# KiCad board sr99-stm32-hotswap.kicad_pcb (continued)
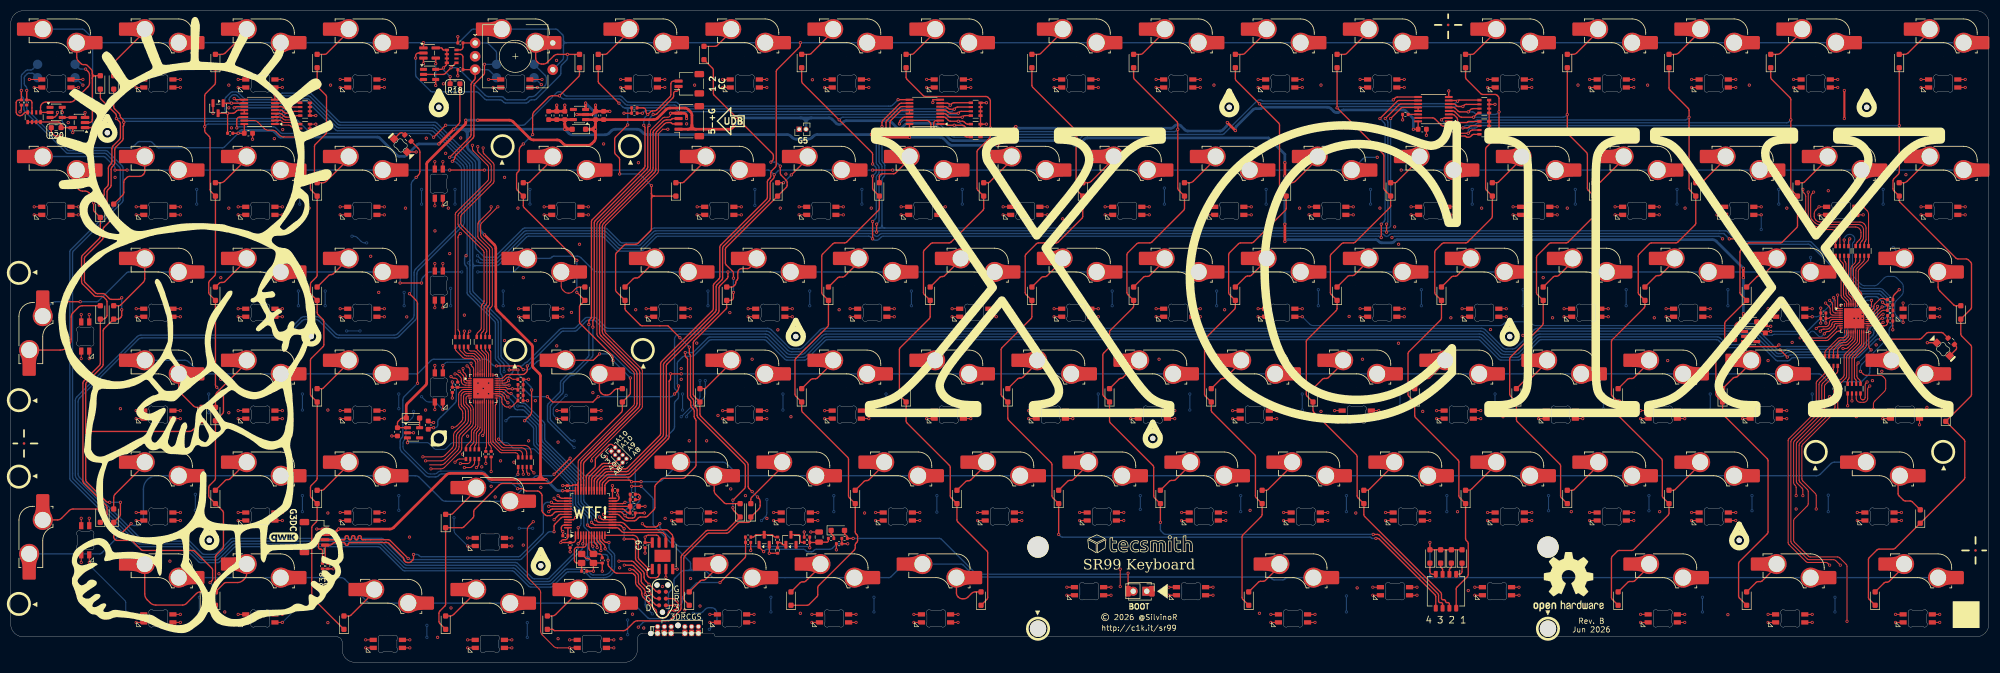
[diagram p0: board, top side]
## Routing (per net, layer and track width the routed paths; a pad name or vN(x,y) marks a point on that pad's centre or on a via; arc(x,y) is an arc through that point) (continued)
MISO: length 437.4
  Top w0.2: U9.24 348.54,63.71 arc(348.73,63.75) 348.9,63.86 349.28,64.24 arc(349.36,64.3) 349.46,64.32 v1(349.61,64.32) ; U10.24 91.65,50.61 arc(91.84,50.57) 92.01,50.46 v1(92.88,49.6)
  Top w0.254: U4.9 42.17,105.19 arc(41.98,105.23) 41.81,105.34 v1(41.74,105.41) ; v1(114.58,24.97) 114.03,25.51 arc(113.86,25.62) 113.67,25.66 U1.14 109.2,25.66 arc(109,25.7) 108.84,25.81 v1(108.49,26.16) ; U5.2 121.1,16.43 arc(121.06,16.23) 120.95,16.07 120.84,15.96 arc(120.68,15.85) 120.48,15.81 119.51,15.81 arc(119.32,15.85) 119.15,15.96 119.01,16.1 arc(118.9,16.26) 118.86,16.46 118.86,16.81 arc(118.82,17) 118.71,17.17 116.86,19.02 arc(116.75,19.19) 116.71,19.38 116.71,22.54 arc(116.56,22.9) 116.2,23.05 v1(114.58,23.05) ; v1(320.99,79.16) v1(322.99,79.16)
  In1.Cu w0.4: v1(92.15,54.34) 92.15,50.74 arc(92.23,50.35) 92.45,50.02 v1(92.88,49.6)
  In2.Cu w0.508: v1(87.16,75.04) 86.95,74.83 arc(86.79,74.72) 86.59,74.68 v1(85.47,74.68)
  Bottom w0.254: v1(108.49,26.16) 108.49,26.99 arc(108.45,27.19) 108.34,27.35 106.15,29.54 arc(106.04,29.7) 106,29.9 106,33.61 arc(105.97,33.81) 105.86,33.97 98.85,40.98 arc(98.74,41.14) 98.7,41.33 98.7,44.09 arc(98.67,44.28) 98.56,44.45 95.94,47.06 arc(95.78,47.17) 95.59,47.21 94.62,47.21 arc(94.43,47.25) 94.26,47.36 94.16,47.46 arc(94.05,47.63) 94.01,47.82 94.01,48.25 arc(93.97,48.45) 93.86,48.61 v1(92.88,49.6) ; v1(320.99,79.16) 319.99,80.16 257.95,80.16 arc(257.75,80.12) 257.59,80.01 257.35,79.77 arc(256.99,79.62) 256.63,79.77 256.39,80.01 arc(256.22,80.12) 256.03,80.16 162.7,80.16 arc(162.5,80.12) 162.34,80.01 162.1,79.77 arc(161.74,79.62) 161.38,79.77 161.14,80.01 arc(160.97,80.12) 160.78,80.16 120.67,80.16 arc(120.47,80.12) 120.31,80.01 117.83,77.53 arc(117.66,77.42) 117.47,77.38 113.77,77.38 arc(113.58,77.42) 113.42,77.53 110.93,80.01 arc(110.77,80.12) 110.57,80.16 96.47,80.16 arc(96.27,80.12) 96.11,80.01 90.92,74.83 arc(90.76,74.72) 90.56,74.68 87.73,74.68 arc(87.54,74.72) 87.37,74.83 v1(87.16,75.04) ; 85.76,75.18 85.76,92.93 arc(85.72,93.12) 85.61,93.29 79.14,99.76 arc(78.97,99.87) 78.78,99.91 61.26,99.91 arc(61.07,99.95) 60.9,100.06 55.72,105.24 arc(55.56,105.35) 55.36,105.39 51.16,105.39 arc(50.97,105.35) 50.8,105.24 49.89,104.33 arc(49.72,104.22) 49.53,104.18 43.18,104.18 arc(42.99,104.22) 42.82,104.33 v1(41.74,105.41) ; 85.76,75.18 85.76,74.18 ; 85.76,75.18 arc(85.72,74.98) 85.61,74.82 v1(85.47,74.68) 85.61,74.54 arc(85.72,74.37) 85.76,74.18 ; 85.76,74.18 85.76,69.31 arc(85.8,69.11) 85.91,68.95 90.91,63.95 arc(91.02,63.78) 91.06,63.59 91.06,57.07 arc(91.1,56.88) 91.21,56.71 92,55.92 arc(92.11,55.75) 92.15,55.56 v1(92.15,54.34) ; v1(349.61,64.32) 349.93,64.32 arc(350.12,64.35) 350.29,64.46 350.74,64.92 arc(350.85,65.08) 350.89,65.28 350.89,67.61 arc(350.85,67.8) 350.74,67.97 349.45,69.26 arc(349.29,69.37) 349.09,69.41 345.68,69.41 arc(345.48,69.45) 345.32,69.56 336.35,78.53 arc(336.19,78.64) 335.99,78.67 323.69,78.67 arc(323.49,78.71) 323.33,78.82 v1(322.99,79.16) ; 114.58,24.97 v1(114.58,23.05) ; v1(114.58,24.97) 114.57,24.97
MOSI: length 332.7
  Top w0.2: v1(92.99,52.66) 92.69,52.36 arc(92.52,52.25) 92.33,52.21 U10.28 ; v1(348.68,66.54) 348.68,66.46 arc(348.64,66.26) 348.53,66.1 347.9,65.46 arc(347.73,65.35) 347.54,65.31 U9.28
  Top w0.254: U5.5 123.64,23.55 arc(123.6,23.74) 123.49,23.91 122.76,24.64 arc(122.59,24.75) 122.4,24.79 115.94,24.79 arc(115.75,24.83) 115.58,24.94 114.66,25.86 arc(114.33,26.09) 113.94,26.16 U1.15 109.95,26.16 arc(109.75,26.2) 109.59,26.31 v1(109.24,26.66) ; v1(330.49,58.41) 331.82,57.08 v1(331.82,57.06)
  In2.Cu w0.508: v1(92.99,52.66) 93.53,52.66 arc(93.72,52.62) 93.89,52.51 94.57,51.83 arc(94.68,51.67) 94.72,51.47 v1(94.72,47.93)
  Bottom w0.254: v1(92.99,52.66) 92.99,53.01 arc(93.06,53.4) 93.29,53.73 93.68,54.12 arc(93.79,54.28) 93.83,54.48 93.83,54.65 arc(93.84,54.74) 93.9,54.82 94.29,55.21 arc(94.45,55.32) 94.65,55.36 95.26,55.36 arc(95.45,55.4) 95.62,55.51 96.12,56.01 arc(96.17,56.05) 96.23,56.06 96.32,56.06 arc(96.38,56.07) 96.43,56.1 102.46,62.14 arc(102.79,62.36) 103.18,62.43 105.17,62.43 arc(105.37,62.47) 105.53,62.58 107.27,64.32 arc(107.43,64.43) 107.63,64.47 109.1,64.47 arc(109.29,64.43) 109.46,64.32 111.19,62.58 arc(111.36,62.47) 111.55,62.43 141.37,62.43 arc(141.76,62.36) 142.09,62.14 145.34,58.88 arc(145.67,58.66) 146.06,58.59 147.2,58.59 arc(147.58,58.66) 147.91,58.88 151.17,62.14 arc(151.5,62.36) 151.89,62.44 274.73,62.44 arc(275.12,62.36) 275.44,62.14 278.7,58.88 arc(279.03,58.66) 279.42,58.59 280.53,58.59 arc(280.92,58.66) 281.25,58.88 284.5,62.14 arc(284.83,62.36) 285.22,62.43 323.69,62.43 arc(323.88,62.47) 324.05,62.58 324.08,62.62 arc(324.24,62.73) 324.44,62.76 325.46,62.76 arc(325.65,62.73) 325.82,62.62 329.87,58.56 arc(330.04,58.45) 330.23,58.41 v1(330.49,58.41) ; v1(109.24,26.66) 109.24,26.97 arc(109.2,27.16) 109.09,27.32 106.67,29.75 arc(106.56,29.91) 106.52,30.11 106.52,33.83 arc(106.48,34.02) 106.37,34.19 99.37,41.19 arc(99.26,41.35) 99.22,41.55 99.22,44.3 arc(99.18,44.5) 99.07,44.66 95.95,47.78 arc(95.79,47.89) 95.6,47.93 v1(94.72,47.93) ; v1(348.68,66.54) 348.68,61.49 arc(348.64,61.3) 348.53,61.13 345.04,57.64 arc(344.88,57.53) 344.68,57.49 332.46,57.49 arc(332.27,57.46) 332.1,57.35 v1(331.82,57.06)
OSC-IN: length 9.6
  Top w0.254: C19.2 Y1.1 105.8,18.56 arc(105.44,18.71) 105.29,19.07 105.29,21 arc(105.44,21.36) 105.8,21.51 106.98,21.51 arc(107.34,21.66) 107.49,22.02 U1.5
OSC-OUT: length 6
  Top w0.254: C20.2 110.49,19.75 arc(110.34,20.11) 109.98,20.26 Y1.3 108.14,20.96 arc(108.03,21.13) 107.99,21.32 U1.6
RED1: length 231.6
  Top w0.2: W8.1 v1(213.94,107.47) ; W3.1 314.05,107.47 ; v1(334.74,88.41) 334.74,88.26 arc(334.8,87.96) 334.96,87.72 335.05,87.63 arc(335.21,87.38) 335.27,87.09 335.27,83 arc(335.35,82.62) 335.57,82.29 336.64,81.22 arc(336.97,80.99) 337.36,80.92 340.04,80.92 arc(340.43,80.84) 340.76,80.62 340.9,80.49 arc(341.12,80.16) 341.19,79.77 341.19,79.14 arc(341.15,78.95) 341.04,78.78 341,78.74 arc(340.89,78.58) 340.86,78.38 R26.8 ; 334.41,107.47 v1(333,107.47) ; W9.1 194.74,107.47 ; W1.1 v1(356.81,107.47) ; W5.1 275.74,107.47 ; W4.1 v1(294.9,107.47) ; W6.1 v1(252.04,107.47)
  Top w0.254: v1(232.99,107.47) W7.1
  In1.Cu w0.4: 329.19,106.06 315.57,106.06 arc(315.38,106.1) 315.21,106.21 v1(313.95,107.47) 312.69,106.21 arc(312.52,106.1) 312.33,106.06 296.52,106.06 arc(296.33,106.1) 296.16,106.21 v1(294.9,107.47) 293.64,106.21 arc(293.47,106.1) 293.28,106.06 277.47,106.06 arc(277.28,106.1) 277.11,106.21 v1(275.85,107.47) 274.59,106.21 arc(274.42,106.1) 274.23,106.06 253.66,106.06 arc(253.46,106.1) 253.3,106.21 v1(252.04,107.47) 250.78,106.21 arc(250.61,106.1) 250.42,106.06 234.61,106.06 arc(234.41,106.1) 234.25,106.21 v1(232.99,107.47) 231.73,106.21 arc(231.56,106.1) 231.37,106.06 230.45,106.06 arc(230.25,106.1) 230.09,106.21 229.78,106.51 arc(229.62,106.62) 229.42,106.66 226.2,106.66 arc(226,106.62) 225.84,106.51 225.38,106.06 215.56,106.06 arc(215.36,106.1) 215.2,106.21 v1(213.94,107.47) 212.68,106.21 arc(212.51,106.1) 212.32,106.06 196.51,106.06 arc(196.31,106.1) 196.15,106.21 v1(194.89,107.47) ; 329.19,106.06 330.79,106.06 ; 329.19,106.06 arc(329.75,105.82) 329.99,105.26 ; 329.99,105.26 329.99,93.16 v1(334.74,88.41) ; 329.99,105.26 arc(330.22,105.82) 330.79,106.06 ; v1(356.81,107.47) 355.55,106.21 arc(355.39,106.1) 355.19,106.06 349.51,106.06 arc(349.12,106.14) 348.79,106.36 348.29,106.86 arc(347.96,107.09) 347.57,107.16 346.16,107.16 arc(345.77,107.09) 345.44,106.86 343.29,104.71 arc(342.96,104.49) 342.57,104.41 341.91,104.41 arc(341.52,104.49) 341.19,104.71 340.14,105.76 arc(339.81,105.98) 339.42,106.06 334.62,106.06 arc(334.43,106.1) 334.26,106.21 v1(333,107.47) 331.74,106.21 arc(331.57,106.1) 331.38,106.06 330.79,106.06 ; 232.42,106.9 arc(232.99,107.14) 233.55,106.9 ; 313.38,106.9 arc(313.95,107.14) 314.52,106.9 ; 251.47,106.9 arc(252.04,107.14) 252.6,106.9 ; 213.37,106.9 arc(213.94,107.14) 214.5,106.9 ; 275.28,106.9 arc(275.85,107.14) 276.42,106.9 ; 294.33,106.9 arc(294.9,107.14) 295.47,106.9 ; 332.43,106.9 arc(333,107.14) 333.57,106.9
RED2: length 188.2
  Top w0.2: W19.1 356.74,83.66 356.74,83.66 ; R26.7 341.66,80.66 v1(341.66,80.66) ; W24.1 v1(261.56,83.66) ; W23.1 v1(280.61,83.66) ; W27.1 v1(204.41,83.66) ; W26.1 v1(223.46,83.66) ; W21.1 v1(318.71,83.66) ; W20.1 v1(337.76,83.66) ; W25.1 v1(242.51,83.66) ; W22.1 v1(299.66,83.66)
  In1.Cu w0.4: v1(204.41,83.66) 205.67,82.4 arc(205.84,82.29) 206.03,82.25 221.84,82.25 arc(222.04,82.29) 222.2,82.4 v1(223.46,83.66) 224.72,82.4 arc(224.89,82.29) 225.08,82.25 236.76,82.25 arc(237.05,82.31) 237.3,82.47 237.45,82.62 arc(237.99,82.85) 238.53,82.62 238.68,82.47 arc(238.92,82.31) 239.22,82.25 240.89,82.25 arc(241.09,82.29) 241.25,82.4 v1(242.51,83.66) 243.77,82.4 arc(243.94,82.29) 244.13,82.25 253.78,82.25 arc(253.97,82.29) 254.14,82.4 255.25,83.51 arc(255.41,83.62) 255.61,83.66 v1(261.56,83.66) 262.82,82.4 arc(262.99,82.29) 263.18,82.25 278.99,82.25 arc(279.19,82.29) 279.35,82.4 v1(280.61,83.66) 281.87,82.4 arc(282.04,82.29) 282.23,82.25 298.04,82.25 arc(298.24,82.29) 298.4,82.4 v1(299.66,83.66) 300.92,82.4 arc(301.09,82.29) 301.28,82.25 317.09,82.25 arc(317.29,82.29) 317.45,82.4 v1(318.71,83.66) 319.97,82.4 arc(320.14,82.29) 320.33,82.25 336.14,82.25 arc(336.34,82.29) 336.5,82.4 v1(337.76,83.66) 339.02,82.4 arc(339.19,82.29) 339.38,82.25 340.86,82.25 ; v1(356.81,83.66) 355.55,82.4 arc(355.39,82.29) 355.19,82.25 342.46,82.25 ; 340.86,82.25 342.46,82.25 ; 340.86,82.25 arc(341.42,82.02) 341.66,81.45 ; v1(341.66,80.66) 341.66,81.45 ; 341.66,81.45 arc(341.89,82.02) 342.46,82.25 ; 280.05,83.09 arc(280.61,83.33) 281.18,83.09 ; 337.2,83.09 arc(337.76,83.33) 338.33,83.09 ; 299.1,83.09 arc(299.66,83.33) 300.23,83.09 ; 318.15,83.09 arc(318.71,83.33) 319.28,83.09 ; 222.9,83.09 arc(223.46,83.33) 224.03,83.09 ; 241.95,83.09 arc(242.51,83.33) 243.08,83.09
RED3: length 224.2
  Top w0.2: W44.1 v1(213.94,64.61) ; W40.1 v1(290.14,64.61) ; W43.1 v1(232.99,64.61) ; W37.1 v1(353.46,63.56) ; W41.1 v1(271.09,64.61) ; W42.1 v1(252.04,64.61) ; v1(342.45,78.96) R26.6 ; W38.1 v1(328.24,64.61) ; W39.1 v1(309.19,64.61) ; W45.1 v1(194.89,64.61)
  In1.Cu w0.4: v1(353.46,63.56) 353.46,63.23 arc(353.39,62.84) 353.16,62.51 352.25,61.59 arc(351.92,61.37) 351.53,61.29 v1(349.99,61.29) ; v1(194.89,64.61) 196.15,63.34 arc(196.32,63.23) 196.51,63.19 212.31,63.19 arc(212.51,63.23) 212.67,63.34 v1(213.94,64.61) 215.2,63.34 arc(215.37,63.23) 215.56,63.19 231.36,63.19 arc(231.56,63.23) 231.72,63.34 v1(232.99,64.61) 234.25,63.34 arc(234.42,63.23) 234.61,63.19 250.41,63.19 arc(250.61,63.23) 250.77,63.34 v1(252.04,64.61) 253.3,63.34 arc(253.47,63.23) 253.66,63.19 269.46,63.19 arc(269.66,63.23) 269.82,63.34 v1(271.09,64.61) 272.35,63.34 arc(272.52,63.23) 272.71,63.19 278.06,63.19 arc(278.25,63.23) 278.42,63.34 278.59,63.51 arc(278.75,63.62) 278.95,63.66 281.06,63.66 arc(281.25,63.62) 281.42,63.51 281.59,63.34 arc(281.75,63.23) 281.95,63.19 288.51,63.19 arc(288.71,63.23) 288.87,63.34 v1(290.14,64.61) 291.4,63.34 arc(291.57,63.23) 291.76,63.19 307.56,63.19 arc(307.76,63.23) 307.92,63.34 v1(309.19,64.61) 310.45,63.34 arc(310.62,63.23) 310.81,63.19 326.61,63.19 arc(326.81,63.23) 326.97,63.34 v1(328.24,64.61) 329.5,63.34 arc(329.67,63.23) 329.86,63.19 335.85,63.19 arc(336.23,63.27) 336.56,63.49 337.41,64.33 arc(337.74,64.55) 338.13,64.63 340.45,64.63 arc(340.84,64.55) 341.17,64.33 341.44,64.06 arc(341.66,63.73) 341.74,63.34 v1(341.74,61.29) ; 232.42,64.04 arc(232.99,64.28) 233.55,64.04 ; 327.67,64.04 arc(328.24,64.28) 328.8,64.04 ; 213.37,64.04 arc(213.94,64.28) 214.5,64.04 ; 251.47,64.04 arc(252.04,64.28) 252.6,64.04 ; 289.57,64.04 arc(290.14,64.28) 290.7,64.04 ; 308.62,64.04 arc(309.19,64.28) 309.75,64.04 ; 270.52,64.04 arc(271.09,64.28) 271.65,64.04
  In2.Cu w0.4: v1(349.99,61.29) 348.51,61.29 arc(348.31,61.26) 348.15,61.15 347.97,60.97 arc(347.81,60.86) 347.61,60.82 347.04,60.82 arc(346.84,60.86) 346.68,60.97 346.5,61.15 arc(346.34,61.26) 346.15,61.29 v1(341.74,61.29)
  Bottom w0.2: v1(342.45,78.96) 342.45,79.06 arc(342.51,79.36) 342.68,79.6 342.85,79.78 arc(343.1,79.94) 343.39,80 343.55,80 arc(343.85,79.94) 344.09,79.78 344.21,79.66 arc(344.37,79.42) 344.43,79.12 344.43,79 arc(344.39,78.81) 344.28,78.64 344.14,78.5 arc(344.03,78.34) 343.99,78.14 343.99,72.72 arc(344.07,72.33) 344.29,72 345.59,70.7 arc(345.92,70.48) 346.31,70.4 348.05,70.4 arc(348.44,70.48) 348.77,70.7 349.93,71.85 arc(350.26,72.08) 350.65,72.15 351.58,72.15 arc(351.97,72.08) 352.3,71.85 353.19,70.96 arc(353.41,70.63) 353.49,70.24 353.49,69.33 arc(353.41,68.94) 353.19,68.61 352.19,67.61 arc(351.97,67.28) 351.89,66.9 351.89,65.56 arc(351.97,65.17) 352.19,64.84 v1(353.46,63.56)
RED4: length 245.3
  Top w0.2: W54.1 v1(349.67,45.56) ; W62.1 v1(190.12,45.56) ; v1(343.49,79.16) 343.4,79.08 arc(343.29,78.91) 343.25,78.72 R26.5 ; W57.1 v1(285.38,45.56) ; W59.1 v1(247.28,45.56) ; W55.1 v1(323.48,45.56) ; v1(345.49,54.41) 346.01,53.89 arc(346.26,53.72) 346.55,53.66 349.17,53.66 arc(349.46,53.6) 349.71,53.44 349.98,53.17 arc(350.15,52.92) 350.21,52.63 350.21,51.19 arc(350.15,50.9) 349.98,50.65 348.14,48.81 arc(347.98,48.56) 347.92,48.27 v1(347.92,47.3) 347.92,47.31 ; W61.1 v1(209.18,45.56) ; W60.1 v1(228.23,45.56) ; W56.1 v1(304.43,45.56) ; W58.1 v1(266.32,45.56)
  In1.Cu w0.4: v1(190.12,45.56) 191.37,44.31 arc(191.54,44.2) 191.73,44.16 207.57,44.16 arc(207.76,44.2) 207.93,44.31 v1(209.18,45.56) 209.94,44.79 arc(210.16,44.46) 210.24,44.07 210.24,41.33 arc(210.31,40.94) 210.54,40.61 211.69,39.46 arc(212.02,39.24) 212.41,39.16 214.32,39.16 arc(214.71,39.24) 215.04,39.46 219.44,43.86 arc(219.77,44.08) 220.15,44.16 226.62,44.16 arc(226.81,44.2) 226.98,44.31 v1(228.23,45.56) 229.62,44.16 245.67,44.16 arc(245.86,44.2) 246.03,44.31 v1(247.28,45.56) 248.52,44.31 arc(248.69,44.2) 248.88,44.16 264.72,44.16 arc(264.91,44.2) 265.08,44.31 v1(266.32,45.56) 267.57,44.31 arc(267.74,44.2) 267.93,44.16 283.77,44.16 arc(283.96,44.2) 284.13,44.31 v1(285.38,45.56) 286.62,44.31 arc(286.79,44.2) 286.98,44.16 302.82,44.16 arc(303.01,44.2) 303.18,44.31 v1(304.43,45.56) 305.67,44.31 arc(305.84,44.2) 306.03,44.16 321.87,44.16 arc(322.06,44.2) 322.23,44.31 v1(323.48,45.56) 324.72,44.31 arc(324.89,44.2) 325.08,44.16 348.06,44.16 arc(348.25,44.2) 348.42,44.31 v1(349.67,45.56) 349.67,45.56 v1(347.92,47.3) ; 303.86,44.99 arc(304.43,45.23) 304.99,44.99 ; 246.71,44.99 arc(247.28,45.23) 247.84,44.99 ; 322.91,44.99 arc(323.48,45.23) 324.04,44.99 ; 208.61,44.99 arc(209.18,45.23) 209.74,44.99 ; 284.81,44.99 arc(285.38,45.23) 285.94,44.99 ; 349.1,46.12 arc(349.34,45.56) 349.1,44.99 ; 227.66,44.99 arc(228.23,45.23) 228.79,44.99 ; 265.76,44.99 arc(266.32,45.23) 266.89,44.99
  Bottom w0.2: v1(345.49,54.41) 345.49,55.04 arc(345.56,55.43) 345.79,55.76 350.55,60.53 arc(350.77,60.86) 350.85,61.24 350.85,62.15 arc(350.91,62.45) 351.07,62.69 351.17,62.79 arc(351.33,63.04) 351.39,63.33 351.39,67.59 arc(351.31,67.98) 351.09,68.31 349.8,69.61 arc(349.47,69.83) 349.08,69.9 346.1,69.9 arc(345.71,69.98) 345.38,70.2 343.79,71.8 arc(343.56,72.13) 343.49,72.52 v1(343.49,79.16)
RED5: length 203.2
  Top w0.2: 201.06,26.51 v1(199.65,26.51) ; W71.1 v1(344.91,26.51) ; W74.1 v1(275.85,26.51) ; v1(337.24,28.66) 337.24,31.18 arc(337.2,31.37) 337.09,31.53 334.7,33.92 arc(334.59,34.09) 334.55,34.28 334.55,40.4 arc(334.59,40.6) 334.7,40.76 340.32,46.38 340.34,46.38 341.11,47.15 arc(341.22,47.32) 341.26,47.51 341.26,49.18 arc(341.3,49.37) 341.41,49.54 341.59,49.72 arc(341.7,49.89) 341.74,50.08 R23.2 ; 258.21,26.51 v1(256.8,26.51) ; W72.1 v1(313.95,26.51) ; W77.1 v1(218.7,26.51) ; W73.1 v1(294.9,26.51) ; W76.1 v1(237.75,26.51)
  In1.Cu w0.4: v1(199.65,26.51) 200.92,25.24 arc(201.09,25.13) 201.28,25.09 217.07,25.09 arc(217.26,25.13) 217.43,25.24 v1(218.7,26.51) 219.97,25.24 arc(220.14,25.13) 220.33,25.09 236.12,25.09 arc(236.31,25.13) 236.48,25.24 v1(237.75,26.51) 239.17,25.09 255.17,25.09 arc(255.36,25.13) 255.53,25.24 v1(256.8,26.51) 258.07,25.24 arc(258.24,25.13) 258.43,25.09 274.22,25.09 arc(274.41,25.13) 274.58,25.24 v1(275.85,26.51) 277.12,25.24 arc(277.29,25.13) 277.48,25.09 293.27,25.09 arc(293.46,25.13) 293.63,25.24 v1(294.9,26.51) 296.17,25.24 arc(296.34,25.13) 296.53,25.09 312.32,25.09 arc(312.51,25.13) 312.68,25.24 v1(313.95,26.51) 315.22,25.24 arc(315.39,25.13) 315.58,25.09 320.92,25.09 arc(321.12,25.13) 321.28,25.24 321.55,25.5 arc(321.71,25.61) 321.9,25.65 323.8,25.65 arc(323.99,25.61) 324.16,25.5 324.42,25.24 arc(324.59,25.13) 324.78,25.09 333.73,25.09 arc(333.92,25.13) 334.09,25.24 335.73,26.88 arc(335.9,26.99) 336.09,27.03 336.44,27.03 ; v1(337.24,28.66) 337.24,27.83 ; 337.24,27.83 arc(337.47,27.26) 338.04,27.03 338.31,27.03 arc(338.51,26.99) 338.67,26.88 340.32,25.24 arc(340.48,25.13) 340.68,25.09 343.28,25.09 arc(343.47,25.13) 343.63,25.24 v1(344.91,26.51) ; 337.24,27.83 arc(337,27.26) 336.44,27.03 ; 336.44,27.03 337.99,27.03 337.99,27.03 ; 313.38,25.94 arc(313.95,26.18) 314.52,25.94 ; 237.18,25.94 arc(237.75,26.18) 238.32,25.94 ; 275.28,25.94 arc(275.85,26.18) 276.42,25.94 ; 218.13,25.94 arc(218.7,26.18) 219.27,25.94 ; 294.33,25.94 arc(294.9,26.18) 295.47,25.94 ; 256.23,25.94 arc(256.8,26.18) 257.37,25.94
RED6: length 240.8
  Top w0.2: W91.1 v1(254.42,12.54) ; W92.1 v1(235.37,7.46) ; W90.1 v1(273.47,12.54) ; W88.1 328.28,7.46 ; W89.1 v1(304.43,7.46) ; v1(342.99,7.66) 342.99,17.95 arc(342.95,18.15) 342.84,18.31 341.6,19.55 arc(341.44,19.66) 341.24,19.7 336.13,19.7 arc(335.94,19.74) 335.78,19.85 333.16,22.46 arc(333.05,22.62) 333.01,22.82 333.01,26.48 arc(333.05,26.67) 333.16,26.84 335.59,29.26 arc(335.7,29.43) 335.74,29.62 335.74,31.93 arc(335.7,32.12) 335.59,32.29 334.18,33.7 arc(334.07,33.86) 334.03,34.05 334.03,40.61 arc(334.07,40.8) 334.18,40.97 340.59,47.37 arc(340.7,47.54) 340.74,47.73 R22.2 ; W87.1 v1(352.05,7.46)
  Top w0.254: W94.1 v1(197.27,12.54) ; W93.1 v1(216.32,12.54)
  In1.Cu w0.4: 343.74,6.06 343.74,6.06 342.19,6.06 ; v1(197.27,12.54) 198.53,11.27 arc(198.7,11.16) 198.89,11.13 214.7,11.13 arc(214.89,11.16) 215.06,11.27 v1(216.32,12.54) 217.58,11.27 arc(217.75,11.16) 217.94,11.13 223.35,11.13 arc(223.74,11.05) 224.07,10.83 226.98,7.92 arc(227.31,7.7) 227.7,7.62 235,7.62 arc(235.19,7.58) 235.36,7.47 v1(235.37,7.46) 236.62,6.21 arc(236.78,6.1) 236.98,6.06 247.73,6.06 arc(247.92,6.1) 248.09,6.21 v1(254.42,12.54) 255.67,11.28 arc(255.84,11.17) 256.03,11.13 271.85,11.13 arc(272.05,11.17) 272.21,11.28 v1(273.47,12.54) 274.72,11.28 arc(274.89,11.17) 275.08,11.13 283.37,11.13 arc(283.56,11.09) 283.73,10.98 284.93,9.78 arc(285.1,9.67) 285.29,9.63 302.04,9.63 arc(302.24,9.59) 302.4,9.48 v1(304.43,7.46) 305.67,6.21 arc(305.84,6.1) 306.03,6.06 326.63,6.06 arc(326.82,6.1) 326.99,6.21 v1(328.24,7.46) 329.49,6.21 arc(329.65,6.1) 329.85,6.06 342.19,6.06 ; 342.19,6.06 arc(342.75,6.29) 342.99,6.86 ; v1(342.99,7.66) 342.99,6.86 ; 342.99,6.86 arc(343.22,6.29) 343.79,6.06 350.44,6.06 arc(350.64,6.1) 350.8,6.21 v1(352.05,7.46) ; 327.67,6.89 arc(328.24,7.13) 328.8,6.89 ; 253.85,11.97 arc(254.42,12.21) 254.98,11.97 ; 215.75,11.97 arc(216.32,12.21) 216.88,11.97 ; 272.9,11.97 arc(273.47,12.21) 274.03,11.97
RED7: length 249.7
  Top w0.2: W10.1 v1(171.08,107.47) ; W17.1 v1(23.44,107.47) ; R32.8 83.04,83.75 arc(83.08,83.95) 83.19,84.11 89.09,90.01 arc(89.2,90.18) 89.24,90.37 89.24,92.56 arc(89.2,92.75) 89.09,92.92 86.39,95.62 arc(86.28,95.79) 86.24,95.98 v1(86.24,96.66) ; W18.1 v1(4.39,107.47) ; W13.1 v1(113.92,107.47) ; W16.1 v1(42.49,107.47) ; W12.1 v1(132.98,107.47) ; W15.1 v1(61.54,107.47) ; W11.1 v1(152.03,107.47) ; W14.1 v1(90.11,107.47)
  In1.Cu w0.4: v1(4.39,107.47) 5.65,106.21 arc(5.81,106.1) 6.01,106.06 21.82,106.06 arc(22.01,106.1) 22.18,106.21 v1(23.44,107.47) 24.7,106.21 arc(24.86,106.1) 25.06,106.06 40.87,106.06 arc(41.06,106.1) 41.23,106.21 v1(42.49,107.47) 43.75,106.21 arc(43.91,106.1) 44.11,106.06 47.75,106.06 arc(47.95,106.02) 48.11,105.91 48.76,105.26 arc(48.92,105.15) 49.12,105.11 49.59,105.11 arc(49.78,105.15) 49.95,105.26 50.59,105.91 arc(50.76,106.02) 50.95,106.06 59.92,106.06 arc(60.11,106.1) 60.28,106.21 v1(61.54,107.47) 62.8,106.21 arc(62.96,106.1) 63.16,106.06 77.42,106.06 arc(77.62,106.1) 77.78,106.21 78.34,106.76 arc(78.5,106.87) 78.7,106.91 81.28,106.91 arc(81.47,106.87) 81.64,106.76 82.19,106.21 arc(82.36,106.1) 82.55,106.06 85.44,106.06 ; 85.44,106.06 87.04,106.06 ; 85.44,106.06 arc(86,105.82) 86.24,105.26 ; 87.04,106.06 88.49,106.06 arc(88.69,106.1) 88.85,106.21 v1(90.11,107.47) 91.37,106.21 arc(91.54,106.1) 91.73,106.06 101.23,106.06 arc(101.42,106.1) 101.58,106.21 101.97,106.59 arc(102.13,106.7) 102.33,106.74 102.71,106.74 arc(102.9,106.7) 103.06,106.59 103.45,106.21 arc(103.61,106.1) 103.81,106.06 112.3,106.06 arc(112.5,106.1) 112.66,106.21 v1(113.92,107.47) 115.19,106.21 arc(115.35,106.1) 115.55,106.06 131.35,106.06 arc(131.55,106.1) 131.71,106.21 v1(132.98,107.47) 134.24,106.21 arc(134.4,106.1) 134.6,106.06 150.4,106.06 arc(150.6,106.1) 150.76,106.21 v1(152.03,107.47) 153.29,106.21 arc(153.45,106.1) 153.65,106.06 169.45,106.06 arc(169.65,106.1) 169.81,106.21 v1(171.08,107.47) ; 87.04,106.06 arc(86.47,105.82) 86.24,105.26 ; v1(86.24,96.66) 86.24,105.26 ; 151.46,106.9 arc(152.03,107.14) 152.59,106.9 ; 60.97,106.9 arc(61.54,107.14) 62.1,106.9 ; 41.92,106.9 arc(42.49,107.14) 43.05,106.9 ; 132.41,106.9 arc(132.98,107.14) 133.54,106.9 ; 89.55,106.9 arc(90.11,107.14) 90.68,106.9 ; 22.87,106.9 arc(23.44,107.14) 24,106.9 ; 113.36,106.9 arc(113.92,107.14) 114.49,106.9
RED8: length 243.5
  Top w0.2: W30.1 v1(147.26,83.66) ; W35.1 v1(23.44,83.66) ; R32.7 83.84,61.71 arc(83.82,61.8) 83.76,61.89 83.63,62.02 arc(83.57,62.11) 83.55,62.2 83.55,79.52 arc(83.59,79.71) 83.7,79.88 v1(83.99,80.16) ; W34.1 v1(42.49,83.66) ; W36.1 v1(4.39,83.66) ; W28.1 v1(185.36,83.66) ; W29.1 167.72,83.66 166.49,83.66 ; W104.1 v1(80.71,85.35) ; W33.1 v1(61.54,83.66) ; W31.1 v1(128.21,83.66) ; W32.1 v1(99.64,83.66)
  In1.Cu w0.4: 84.79,82.25 88.47,82.25 arc(88.67,82.29) 88.83,82.4 90.28,83.85 arc(90.45,83.96) 90.64,84 93.12,84 arc(93.32,83.96) 93.48,83.85 94.93,82.4 arc(95.1,82.29) 95.29,82.25 98.02,82.25 arc(98.21,82.29) 98.38,82.4 v1(99.64,83.66) 100.9,82.4 arc(101.06,82.29) 101.26,82.25 107.86,82.25 arc(108.06,82.29) 108.22,82.4 108.69,82.86 arc(108.91,83.19) 108.99,83.58 v1(108.99,84.91) ; 84.79,82.25 83.19,82.25 ; 84.79,82.25 arc(84.22,82.02) 83.99,81.45 ; 83.19,82.25 81.22,82.25 ; 83.19,82.25 arc(83.75,82.02) 83.99,81.45 ; 81.22,82.25 80.2,82.25 ; 81.22,82.25 arc(80.86,82.4) 80.71,82.76 ; v1(4.39,83.66) 5.65,82.4 arc(5.81,82.29) 6.01,82.25 21.82,82.25 arc(22.01,82.29) 22.18,82.4 v1(23.44,83.66) 24.7,82.4 arc(24.86,82.29) 25.06,82.25 40.87,82.25 arc(41.06,82.29) 41.23,82.4 v1(42.49,83.66) 43.75,82.4 arc(43.91,82.29) 44.11,82.25 59.92,82.25 arc(60.11,82.29) 60.28,82.4 v1(61.54,83.66) 62.8,82.4 arc(62.96,82.29) 63.16,82.25 80.2,82.25 ; v1(83.99,80.16) 83.99,81.45 ; v1(185.36,83.66) 184.1,82.4 arc(183.94,82.29) 183.74,82.25 167.93,82.25 arc(167.74,82.29) 167.57,82.4 v1(166.31,83.66) 166.31,83.66 161.2,83.66 arc(161,83.62) 160.84,83.51 159.72,82.4 arc(159.56,82.29) 159.36,82.25 148.88,82.25 arc(148.69,82.29) 148.52,82.4 v1(147.26,83.66) 146,82.4 arc(145.84,82.29) 145.64,82.25 129.83,82.25 arc(129.64,82.29) 129.47,82.4 v1(128.21,83.66) 126.95,82.4 arc(126.79,82.29) 126.59,82.25 118.86,82.25 arc(118.67,82.29) 118.5,82.4 v1(115.99,84.91) ; 80.2,82.25 arc(80.56,82.4) 80.71,82.76 ; v1(80.71,85.35) 80.71,82.76 ; 41.92,83.09 arc(42.49,83.33) 43.05,83.09 ; 22.87,83.09 arc(23.44,83.33) 24,83.09 ; 127.65,83.09 arc(128.21,83.33) 128.78,83.09 ; 60.97,83.09 arc(61.54,83.33) 62.1,83.09 ; 146.7,83.09 arc(147.26,83.33) 147.83,83.09 ; 99.07,83.09 arc(99.64,83.33) 100.2,83.09
  In2.Cu w0.4: v1(108.99,84.91) v1(115.99,84.91)
RED9: length 186.7
  Top w0.2: W50.1 v1(94.88,64.61) ; R32.6 84.64,61.27 arc(84.65,61.31) 84.67,61.34 84.71,61.38 arc(84.73,61.42) 84.74,61.45 v1(84.74,61.91) ; W105.1 v1(80.71,66.3) ; W52.1 v1(42.49,64.61) ; W53.1 v1(23.44,64.61) ; W46.1 v1(175.84,64.61) ; W51.1 v1(61.54,64.61) ; W47.1 v1(156.79,64.61) ; W49.1 v1(118.69,64.61) ; W48.1 v1(137.74,64.61)
  In1.Cu w0.4: v1(113.49,65.41) 113.99,64.91 arc(114.32,64.68) 114.71,64.61 v1(118.69,64.61) 119.95,63.34 arc(120.12,63.23) 120.31,63.19 136.11,63.19 arc(136.31,63.23) 136.47,63.34 v1(137.74,64.61) 139,63.34 arc(139.17,63.23) 139.36,63.19 144.59,63.19 arc(144.79,63.23) 144.95,63.34 145.23,63.62 arc(145.4,63.73) 145.59,63.77 147.7,63.77 arc(147.89,63.73) 148.06,63.62 148.34,63.34 arc(148.5,63.23) 148.7,63.19 155.16,63.19 arc(155.36,63.23) 155.52,63.34 v1(156.79,64.61) 158.05,63.34 arc(158.22,63.23) 158.41,63.19 174.21,63.19 arc(174.41,63.23) 174.57,63.34 v1(175.84,64.61) ; 81.22,63.19 84.23,63.19 ; 81.22,63.19 80.2,63.19 ; 81.22,63.19 arc(80.86,63.34) 80.71,63.7 ; 84.23,63.19 85.25,63.19 ; 84.23,63.19 arc(84.59,63.04) 84.74,62.68 ; v1(106.99,65.41) 104.92,63.34 arc(104.75,63.23) 104.56,63.19 96.5,63.19 arc(96.31,63.23) 96.14,63.34 v1(94.88,64.61) 93.61,63.34 arc(93.44,63.23) 93.25,63.19 85.25,63.19 ; 85.25,63.19 arc(84.89,63.04) 84.74,62.68 ; v1(84.74,61.91) 84.74,62.68 ; 80.2,63.19 63.16,63.19 arc(62.97,63.23) 62.8,63.34 v1(61.54,64.61) 55.23,64.61 arc(54.84,64.53) 54.52,64.31 53.55,63.34 arc(53.38,63.23) 53.19,63.19 44.11,63.19 arc(43.92,63.23) 43.75,63.34 v1(42.49,64.61) 41.22,63.34 arc(41.06,63.23) 40.86,63.19 25.06,63.19 arc(24.87,63.23) 24.7,63.34 v1(23.44,64.61) ; 80.2,63.19 arc(80.56,63.34) 80.71,63.7 ; v1(80.71,66.3) 80.71,63.7 ; 156.22,64.04 arc(156.79,64.28) 157.35,64.04 ; 137.17,64.04 arc(137.74,64.28) 138.3,64.04 ; 41.92,64.04 arc(42.49,64.28) 43.05,64.04 ; 94.31,64.04 arc(94.88,64.28) 95.44,64.04